# KiCad board cpu2.kicad_pcb (continued)
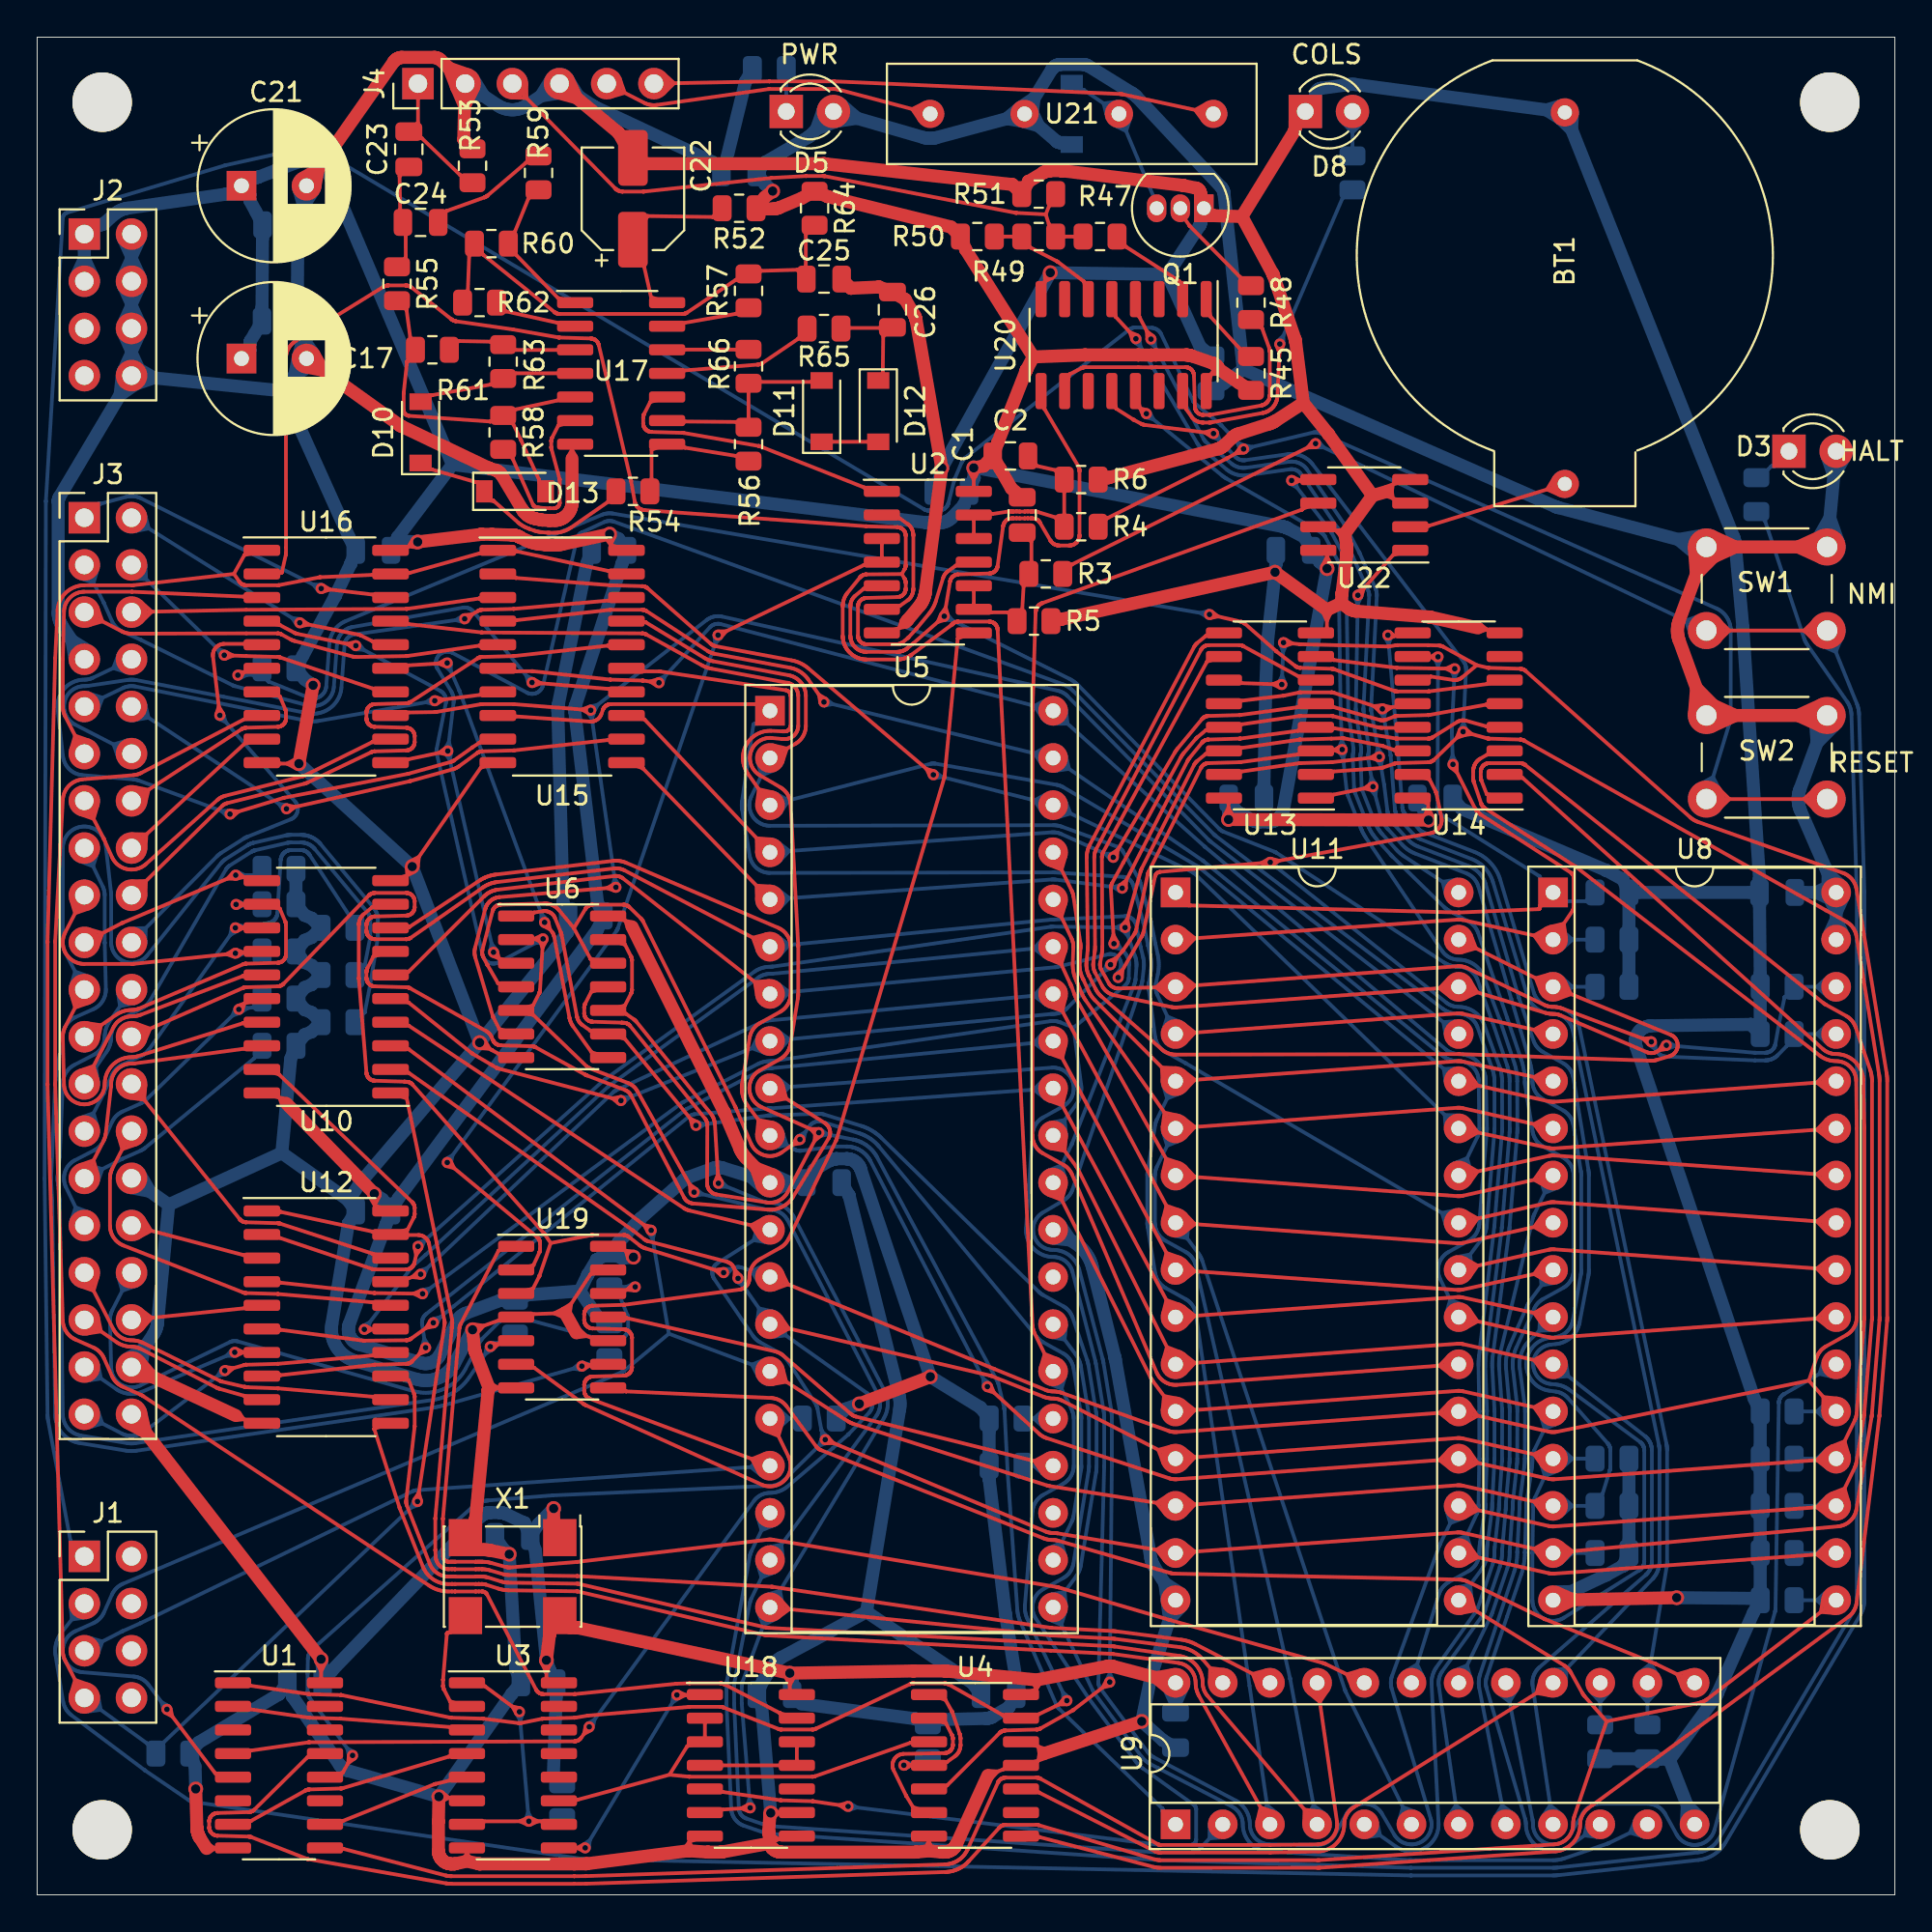
[diagram p0: board, top side]
## Routing (per net, layer and track width the routed paths; a pad name or vN(x,y) marks a point on that pad's centre or on a via; arc(x,y) is an arc through that point)
+5V: length 647.9
  Top w0.2: 75.16,58 74.89,58.49 74.63,57.99 ; 27.15,12.49 27.41,11.99 27.68,12.49 ; 13.04,42.91 13.19,42.51 ; 13.04,42.91 13.42,42.6 ; 13.04,42.91 13.46,42.84 ; 13.04,42.91 U10.20 ; 53.8,11.08 54.02,11.44 ; 53.8,11.08 53.59,11.45 ; 53.8,11.08 53.81,11.57 ; 53.8,11.08 U4.14 ; 31.68,34.67 v1(32.1,34.33) ; 31.68,34.67 32.13,34.63 ; 31.68,34.67 U19.14 ; 31.68,34.67 31.81,34.24 ; 63.2,81.86 63.63,81.87 ; 63.2,81.86 63.62,82.12 ; 63.2,81.86 63.4,82.24 ; 63.2,81.86 U20.16 ; 40.25,11.79 40.52,11.29 40.78,11.79 ; 15.49,11.42 15.28,11.62 v1(15.28,12.69) ; 18.17,37.11 v1(18.15,37.74) ; 18.17,37.11 17.89,37.59 ; 18.17,37.11 18.42,37.6 ; 18.17,37.11 U12.20 ; v1(69.44,71.39) 69.44,72.17 U22.8 ; v1(40.52,11.93) 40.52,10.98 U18.14 ; 31.67,52.43 32.03,52.1 ; 31.67,52.43 32.08,52.35 ; 31.67,52.43 U6.14 ; 31.67,52.43 31.79,52.03 ; 20,72.59 20.23,72.98 ; 20,72.59 U16.20 ; 20,72.59 20.45,72.53 ; 20,72.59 v1(20.48,72.83) ; 15.02,12.54 15.28,12.05 15.55,12.54 ; U2.14 50.42,75.75 v1(50.42,76.82) ; v1(27.41,12.63) 27.41,11.62 28.09,11.42 ; 30.87,72.67 31.09,73.12 ; 30.87,72.67 30.58,73.07 ; 30.87,72.67 v1(30.82,73.25) ; 30.87,72.67 U15.20 ; v1(64.13,57.89) 64.13,58.84 U13.16 ; 63.87,58.03 64.13,58.53 64.4,58.03 ; 50.68,76.68 50.42,76.18 50.15,76.68 ; U14.16 74.88,58.74 v1(74.9,57.85) ; 69.17,71.53 69.44,72.03 69.7,71.53
  Top w0.7: U9.24 57.96,12.29 57.92,12.3 57.88,12.3 57.84,12.31 57.8,12.31 57.77,12.32 57.73,12.32 57.69,12.31 57.65,12.31 57.61,12.31 57.57,12.3 53.81,11.57 48.96,12.04 48.9,12.05 48.87,12.05 48.83,12.05 47.19,12.05 47.17,12.05 v1(40.52,11.93) 29.11,14.37 29.08,14.38 29.05,14.38 29.03,14.38 28.68,14.38 X1.4 27.58,14.38 27.58,14.03 ; 90.13,73.15 91.42,72.56 90.13,71.97 ; 39.61,38.76 38.7,39.11 39.02,38.19 ; v1(39.59,91.71) 39.16,91.38 R52.1 38.86,90.75 39.59,90.75 39.64,90.75 39.68,90.76 39.72,90.76 39.76,90.77 39.8,90.78 39.84,90.79 39.88,90.8 39.92,90.81 39.96,90.83 41.17,91.33 R64.1 42.55,91.42 42.55,91.42 49.2,89.78 R50.1 49.98,88.57 49.99,88.56 53.62,82.79 ; C1.1 52.44,75.71 51.83,76.77 51.83,76.78 C2.1 ; 90.32,72.1 89.31,71.09 89.21,72.51 ; J3.40 v1(15.28,12.69) ; v1(20.48,72.83) 23.87,73.23 23.92,73.23 23.96,73.24 24.47,73.24 24.49,73.24 25.55,73.2 25.59,73.2 25.69,73.18 25.72,73.18 25.76,73.17 25.79,73.17 25.82,73.16 25.85,73.15 25.87,73.14 25.91,73.13 25.95,73.11 26.01,73.07 26.04,73.05 26.25,72.95 26.33,72.91 26.41,72.87 26.49,72.84 26.57,72.81 26.66,72.79 26.74,72.76 26.83,72.74 26.91,72.73 27,72.72 27.33,72.68 27.38,72.67 27.44,72.67 27.49,72.66 27.55,72.66 27.6,72.66 27.82,72.66 27.89,72.66 27.96,72.66 28.03,72.67 28.1,72.68 28.17,72.69 28.23,72.7 28.3,72.71 30.76,73.24 30.79,73.25 v1(30.82,73.25) ; SW1.1 SW1.1 88.39,68.6 88.37,68.52 88.34,68.45 88.33,68.37 88.31,68.3 88.3,68.22 88.3,68.14 88.29,68.06 88.3,67.98 88.3,67.91 88.31,67.83 88.33,67.75 88.34,67.67 88.36,67.6 88.39,67.52 SW2.1 SW2.1 ; 90.13,64.08 91.42,63.48 90.13,62.89 ; C2.1 51.71,78.18 51.71,78.19 53.23,82.03 53.24,82.06 53.26,82.11 53.27,82.11 53.62,82.79 ; C2.1 50.95,76.92 v1(50.42,76.82) ; 96.08,62.89 94.8,63.48 96.08,64.08 ; v1(48.08,27.89) v1(44.26,26.43) ; 32.03,52.1 36.97,42.16 36.99,42.12 37.01,42.08 37.82,40.18 37.85,40.12 37.88,40.05 37.92,39.99 37.96,39.93 38,39.87 38.04,39.81 38.08,39.75 38.13,39.7 38.18,39.65 U5.11 ; X1.1 27.8,19.88 v1(27.8,20.8) ; R45.2 64.69,81.39 63.62,82.12 63.6,82.15 63.59,82.18 63.58,82.21 63.56,82.23 63.55,82.25 63.53,82.28 63.51,82.3 63.49,82.32 63.47,82.34 63.45,82.36 63.43,82.37 63.4,82.39 63.38,82.4 63.36,82.42 63.33,82.43 63.3,82.44 63.28,82.45 62.18,82.83 62.14,82.85 62.11,82.85 62.09,82.86 62.06,82.87 62.03,82.87 62.01,82.88 61.98,82.88 61.95,82.89 61.89,82.89 61.86,82.89 61.83,82.89 61.81,82.89 60.24,82.89 60.2,82.89 59.99,82.89 59.96,82.88 59.94,82.88 59.28,82.89 59.27,82.89 56.43,82.89 56.39,82.89 53.62,82.79 ; 27.58,14.03 27.58,14 27.58,13.99 v1(27.41,12.63) ; v1(64.13,57.89) v1(74.9,57.85) ; 96.08,73.15 94.8,72.56 96.08,71.97 ; 61.2,11.86 60.24,11.69 60.99,11.07 ; 13.42,42.6 v1(18.15,37.74) ; 5.57,25.98 5.81,24.92 4.85,25.43 ; 90.32,63.94 89.32,64.95 89.21,63.54
  Bottom w0.7: R20.2 31.5,34.27 31.53,34.27 v1(32.1,34.33) ; R20.2 31.27,35.06 31.28,35.09 31.29,35.09 ; R20.2 30.12,34.18 30.11,34.18 29.65,33.4 29.64,33.38 29.63,33.36 29.22,32.51 ; U9.24 C11.1 ; 22.35,76.99 15.75,92.53 15.72,92.6 15.68,92.67 15.64,92.74 15.6,92.8 15.55,92.86 15.5,92.92 15.45,92.97 15.39,93.03 15.33,93.08 15.27,93.12 15.2,93.16 15.14,93.2 15.07,93.24 15,93.27 14.92,93.29 14.85,93.31 14.77,93.33 14.7,93.35 14.62,93.35 14.54,93.36 14.47,93.36 14.39,93.36 14.31,93.35 14.24,93.33 14.16,93.32 14.09,93.3 14.02,93.27 11.92,92.47 ; 22.35,76.99 47.85,73.86 47.89,73.86 47.95,73.86 47.98,73.85 48.02,73.85 48.52,73.85 48.55,73.85 48.58,73.86 48.64,73.86 48.69,73.87 48.74,73.88 48.79,73.89 48.84,73.9 48.89,73.92 48.93,73.93 48.98,73.95 49.02,73.98 49.07,74 49.11,74.03 49.15,74.06 49.19,74.09 49.22,74.12 49.26,74.16 49.89,74.81 49.89,74.83 C7.1 50.44,76.27 50.44,76.29 v1(50.42,76.82) 50.45,76.82 50.49,76.82 50.51,76.82 50.53,76.82 50.55,76.82 50.57,76.82 50.59,76.81 50.61,76.81 67.08,73.65 67.12,73.64 67.16,73.63 67.19,73.62 67.22,73.61 67.25,73.59 67.31,73.57 67.32,73.56 68.21,73.09 68.22,73.08 C9.1 69.03,71.76 69.04,71.75 v1(69.44,71.39) 67.09,58.42 67.08,58.39 67.07,58.33 67.06,58.3 67.05,58.27 67.03,58.24 67.02,58.2 ; 22.35,76.99 19.41,73.08 19.41,73.08 C8.1 19.55,72.87 19.55,72.87 v1(20.48,72.83) ; C13.1 U8.32 ; 64.93,82.12 63.86,81.34 C5.1 ; 64.93,82.12 63.89,91.6 63.88,91.63 63.88,91.66 63.87,91.68 63.86,91.71 63.85,91.74 63.84,91.76 63.83,91.79 63.82,91.81 63.81,91.83 63.79,91.86 63.77,91.88 63.76,91.9 63.74,91.92 59.2,96.77 59.16,96.81 59.13,96.84 59.09,96.88 59.05,96.91 59.01,96.94 58.97,96.97 58.93,96.99 56.59,98.45 56.56,98.46 56.54,98.47 56.52,98.48 56.49,98.49 56.47,98.5 56.45,98.51 56.42,98.52 56.4,98.52 56.37,98.52 56.34,98.53 56.32,98.53 56.29,98.53 55.09,98.53 55.06,98.53 55.03,98.53 55,98.52 54.97,98.52 54.94,98.51 54.91,98.5 54.89,98.49 54.86,98.48 54.83,98.47 54.81,98.45 54.78,98.43 54.76,98.42 54.73,98.4 54.71,98.38 54.69,98.36 54.67,98.34 54.65,98.31 54.63,98.29 54.61,98.26 U21.3 ; 64.93,82.12 81.7,74.74 81.73,74.73 81.77,74.71 81.8,74.7 81.83,74.69 81.86,74.68 81.9,74.67 SW1.1 ; J2.3 J2.1 3.04,89.9 3.39,89.9 3.41,89.9 3.43,89.9 3.44,89.9 3.46,89.91 3.48,89.91 3.5,89.92 3.51,89.92 3.53,89.93 3.55,89.94 3.56,89.95 3.58,89.96 3.59,89.97 3.61,89.98 3.62,89.99 4.14,90.45 4.19,90.5 4.25,90.54 4.3,90.58 4.36,90.61 4.42,90.65 4.49,90.68 4.55,90.71 4.61,90.73 4.68,90.75 4.75,90.77 4.81,90.78 4.88,90.8 10.15,91.55 10.18,91.55 10.2,91.55 10.55,91.55 C21.1 ; 29.22,32.51 30.14,31.15 30.15,31.15 R18.2 ; 29.22,32.51 26.42,32.3 R19.2 25.02,32.01 25,32.01 24.97,32.01 24.94,32 24.92,31.99 23.1,31.32 23.06,31.3 23.01,31.28 22.97,31.26 22.93,31.23 22.89,31.21 22.85,31.18 22.81,31.15 22.78,31.12 22.74,31.08 22.71,31.05 22.68,31.01 22.65,30.97 22.63,30.93 22.6,30.89 22.58,30.85 21.68,29.07 21.66,29.03 21.63,28.98 21.6,28.94 21.57,28.9 21.54,28.87 21.5,28.83 21.46,28.8 21.43,28.77 21.38,28.74 21.34,28.71 21.3,28.69 21.25,28.67 21.21,28.65 21.16,28.63 21.11,28.62 21.06,28.61 21.01,28.6 20.96,28.6 20.91,28.6 20.86,28.6 20.81,28.6 20.76,28.61 20.71,28.62 20.67,28.63 17.37,29.62 ; 95.71,63.44 95.81,62.02 96.82,63.03 ; C28.1 26.23,20.01 26.22,20.02 26.21,20.03 25.24,20.5 25.2,20.51 25.17,20.53 25.14,20.54 25.1,20.55 25.07,20.56 25.03,20.56 25,20.57 24.93,20.57 24.9,20.58 24.89,20.58 24.39,20.58 24.35,20.57 24.3,20.57 24.27,20.57 24.24,20.56 24.21,20.55 24.16,20.54 24.13,20.53 24.1,20.52 24.07,20.51 24.03,20.49 24,20.47 23.97,20.46 23.95,20.44 23.91,20.41 23.88,20.4 23.86,20.38 23.84,20.35 23.8,20.31 15.89,12.1 15.87,12.07 15.84,12.05 15.82,12.03 C20.1 15.37,12.14 15.37,12.17 15.36,12.18 v1(15.28,12.69) ; C28.1 26.81,18.56 v1(27.41,12.63) 27.58,12.12 27.58,12.12 C16.1 27.94,10.69 27.94,10.68 27.79,6.49 27.79,6.49 R7.2 ; C28.1 26.97,19.94 v1(27.8,20.8) ; D3.2 SW1.1 ; 31.29,35.09 31.3,35.1 32.41,36.35 32.44,36.37 32.47,36.4 32.48,36.41 34.79,38.47 34.82,38.49 34.85,38.51 34.88,38.53 34.91,38.55 34.94,38.57 34.97,38.59 35,38.6 35.03,38.62 35.07,38.63 36.38,39.11 36.42,39.12 36.46,39.14 36.5,39.15 36.55,39.15 36.59,39.16 36.63,39.16 36.67,39.16 36.72,39.16 36.76,39.16 36.8,39.15 36.85,39.14 36.89,39.14 36.93,39.12 U5.11 C15.1 41.8,39.02 41.81,39.03 42.65,39.52 42.68,39.53 42.72,39.55 42.75,39.56 42.78,39.58 42.81,39.59 42.87,39.6 42.9,39.61 42.93,39.62 42.96,39.62 43.01,39.62 ; 43.01,39.62 43.05,39.63 43.06,39.63 43.56,39.63 43.6,39.62 43.65,39.62 43.68,39.62 43.71,39.61 43.74,39.6 43.79,39.59 43.82,39.58 43.85,39.57 43.88,39.56 43.92,39.54 43.95,39.52 43.98,39.51 44,39.49 44.04,39.46 44.07,39.45 44.09,39.42 44.11,39.4 44.16,39.36 44.18,39.34 44.2,39.31 44.21,39.3 44.23,39.26 ; 61.69,11.23 61.28,10.33 60.87,11.23 ; 53.56,95.82 53.67,96.71 52.92,96.21 ; C29.1 18.78,36.09 18.78,36.09 16.8,30.74 16.79,30.69 16.77,30.64 16.76,30.59 16.76,30.54 16.75,30.49 16.75,30.44 16.75,30.39 16.76,30.34 16.76,30.29 16.77,30.25 16.79,30.2 16.8,30.15 16.82,30.1 16.84,30.06 16.87,30.01 16.89,29.97 16.92,29.93 16.95,29.89 16.98,29.85 17.02,29.82 17.06,29.78 17.1,29.75 17.14,29.72 17.18,29.7 17.23,29.67 17.27,29.65 17.32,29.63 17.37,29.62 ; C29.1 18.6,37.43 v1(18.15,37.74) ; C29.1 19.44,37.49 30.16,51.97 30.17,51.97 C18.1 30.17,53.41 30.16,53.41 28.94,63.67 28.94,63.7 28.94,63.74 28.94,63.78 28.94,63.82 28.94,63.85 28.95,63.89 28.95,63.93 28.96,63.96 28.97,64 28.98,64.04 31.48,71.65 31.48,71.65 C12.1 31.3,72.99 31.29,72.99 v1(30.82,73.25) ; v1(44.26,26.43) 43.52,26.15 43.52,26.15 R16.2 ; C17.1 11.45,83.15 11.45,83.5 11.45,83.52 11.45,83.53 11.45,83.55 11.46,83.56 11.46,83.58 11.46,83.59 11.47,83.61 11.47,83.62 11.48,83.64 11.48,83.65 11.49,83.67 11.5,83.68 11.71,84.03 C14.1 12.1,85.44 12.13,89.17 C27.1 11.78,90.6 11.45,91.2 11.45,91.55 C21.1 ; U8.32 94.92,58.36 94.89,58.44 94.87,58.51 94.85,58.59 94.83,58.67 94.81,58.74 94.8,58.82 94.8,58.9 94.79,58.98 94.8,59.06 94.8,59.14 94.81,59.22 94.83,59.3 94.84,59.37 94.87,59.45 94.89,59.53 SW2.1 ; U8.32 U8.31 ; 53.04,95.47 53.9,95.23 53.53,96.04 ; v1(40.52,11.93) 40.63,11.58 40.63,11.56 40.64,11.54 40.64,11.53 40.64,11.51 C3.1 41.14,10.28 47.25,9.48 47.25,9.48 R10.2 48.64,9.44 51.07,9.49 51.1,9.5 51.15,9.5 51.18,9.5 51.21,9.51 51.24,9.52 51.3,9.53 51.33,9.54 51.36,9.55 51.38,9.56 51.43,9.58 51.45,9.6 51.46,9.6 52.3,10.09 52.31,10.1 C19.1 52.7,11.51 52.7,11.53 52.7,11.55 52.13,15.06 52.12,15.12 52.12,15.17 51.25,22.37 51.25,22.4 R17.2 R9.2 50.78,26.23 50.78,26.23 v1(48.08,27.89) 44.32,39.08 44.32,39.1 44.31,39.12 44.28,39.18 44.27,39.21 44.25,39.23 44.23,39.26 ; 11.92,92.47 11.9,92.46 11.87,92.46 11.84,92.45 11.81,92.45 11.8,92.45 11.45,92.45 C21.1 ; 43.07,95.49 41.95,95.05 42.35,96.18 ; v1(64.13,57.89) 64.14,58.31 C6.1 64.53,58.36 64.54,58.35 65.38,57.86 65.41,57.85 65.43,57.84 65.47,57.82 65.5,57.81 65.53,57.8 65.56,57.79 65.62,57.77 65.65,57.77 65.68,57.76 65.7,57.76 65.75,57.76 65.78,57.75 65.79,57.75 66.29,57.75 66.32,57.75 66.34,57.76 66.38,57.76 66.42,57.76 66.45,57.77 66.48,57.78 66.54,57.79 66.57,57.8 66.6,57.81 66.61,57.82 66.65,57.84 66.68,57.85 66.71,57.87 66.74,57.89 ; 96.65,53.55 95.76,53.96 96.65,54.37 ; 97.32,77.43 96.72,76.39 96.32,77.53 ; 2.99,87.07 2.54,88.06 2.09,87.07 ; 39.64,37.93 40.53,38.34 39.64,38.75 ; U21.3 54.86,94.4 54.88,94.39 54.89,94.38 54.91,94.37 54.92,94.36 54.94,94.36 54.95,94.35 54.97,94.34 54.99,94.34 55,94.33 55.02,94.33 55.04,94.32 55.06,94.32 55.07,94.32 55.09,94.32 55.44,94.32 D9.1 ; U21.3 48.42,94.59 48.36,94.58 48.3,94.57 48.24,94.56 48.18,94.55 48.12,94.55 48.06,94.55 48,94.55 47.94,94.55 47.88,94.56 47.82,94.57 47.76,94.58 47.7,94.6 D5.2 41.63,94.71 41.62,94.7 41.6,94.69 41.59,94.67 41.57,94.66 41.56,94.65 41.54,94.64 41.52,94.63 41.51,94.62 39.21,93.28 39.21,93.28 C10.1 39.19,92.08 39.19,92.07 v1(39.59,91.71) ; 42.95,95.46 44.13,95.63 43.22,96.42 ; 95.79,72.88 96.5,74.11 96.97,72.77 ; C4.1 74.66,58.34 v1(74.9,57.85) ; 96.43,53.77 96.84,52.88 97.25,53.77 ; 96.39,53.97 96.41,54.95 97.14,54.3 ; 39.15,38 38.42,38.66 39.39,38.79 ; 89.44,72.06 88.35,72.96 89.75,73.2 ; 53.08,95.46 52.2,95.61 52.89,96.19 ; 96.43,51.61 96.84,52.5 97.25,51.61 ; 67.01,58.2 67,58.17 66.98,58.15 66.97,58.12 66.94,58.08 66.92,58.06 66.9,58.03 66.88,58.01 66.84,57.97 66.81,57.94 66.79,57.92 66.77,57.91 66.74,57.89
GND: length 900.9
  Top w0.2: 11.12,25.6 10.7,25.56 ; 11.12,25.6 10.68,25.81 ; 11.12,25.6 10.89,25.95 ; 11.12,25.6 U12.10 ; 39.92,4.41 39.7,4.19 ; 39.92,4.41 40.02,4.41 U18.9 ; 39.92,4.41 v1(39.49,4.41) ; 39.92,4.41 39.7,4.63 ; 72.98,75.17 72.59,75.31 ; 72.98,75.17 72.67,75.55 72.98,75.93 ; 72.98,75.17 72.92,75.59 ; 72.98,75.17 73.92,74.91 ; U2.7 46.4,68.19 ; 46.4,68.19 46.53,68.59 ; 46.4,68.19 46.76,68.52 ; 46.4,68.19 46.81,68.27 ; 51.36,6.25 51.72,6.64 51.19,6.67 ; U19.10 29.77,30.02 29.01,30.26 ; 28.79,77.79 29.01,77.43 ; 28.79,77.79 28.58,77.43 ; 28.79,77.79 28.79,77.89 U17.7 ; 28.79,77.79 28.79,77.3 ; v1(23.44,30.42) 24.82,30.91 U19.4 26.76,31.26 28.42,31.32 29.78,33.4 29.79,33.4 U19.13 ; 53.89,7.98 53.96,7.57 ; 53.89,7.98 U4.12 ; 53.89,7.98 54.29,7.84 ; 53.89,7.98 54.2,7.61 53.89,7.23 ; 13.95,60.63 13.45,60.89 13.95,61.16 ; 23.14,2.22 23.14,1.81 ; 23.14,2.22 23.14,2.32 U3.8 ; 23.14,2.22 22.94,1.96 ; 23.14,2.22 23.34,1.96 ; 69.93,73.43 70.19,73.1 ; 69.93,73.43 U22.7 ; 69.93,73.43 70.34,73.51 ; 69.93,73.43 70.39,73.26 ; 47.99,2.86 47.78,2.5 ; 47.99,2.86 47.99,2.96 U4.7 ; 47.99,2.86 47.99,2.37 ; 47.99,2.86 48.21,2.5 ; 24.81,27.3 24.32,27.3 ; 24.81,27.3 24.45,27.09 ; 24.81,27.3 24.45,27.52 ; 24.81,27.3 24.91,27.3 U19.7 ; 9.57,2.5 9.26,2.29 ; 9.57,2.5 9.67,2.5 U1.8 ; 9.57,2.5 9.12,2.5 ; 9.57,2.5 9.26,2.71 ; 39.92,3 39.57,3.23 ; 39.92,3 39.55,2.8 ; 39.92,3 39.92,3 U18.8 ; 39.92,3 39.43,3.02 ; 54.26,86.86 54.66,87.05 ; 54.26,86.86 54.24,87.31 ; 54.26,86.86 54.25,86.86 U20.8 ; 54.26,86.86 v1(54.54,87.32) ; 72.98,75.93 72.92,75.51 ; 72.98,75.93 73.92,76.19 ; 72.98,75.93 72.59,75.79 ; U10.10 19.92,54.88 ; 19.92,54.88 v1(20.19,55.35) 23.87,60.67 U15.10 ; 19.92,54.88 20.32,55.08 ; 19.92,54.88 19.89,55.33 ; 35.11,2.86 35.28,2.48 ; 35.11,2.86 34.85,2.52 ; 35.11,2.86 U18.7 ; 35.11,2.86 35.05,2.37 ; 29.18,30.44 29.58,30.08 29.05,30.01 ; 24.08,46.03 24.37,45.54 23.8,45.58 ; 78.02,68.12 77.63,67.97 ; 78.02,68.12 77.54,68.2 ; 78.02,68.12 77.7,68.39 ; 78.02,68.12 78.03,68.12 79,67.93 ; U16.10 12.99,60.9 13.09,60.9 v1(14.09,60.89) ; 28.32,31.09 27.83,31.3 28.31,31.55 ; 20.49,55.32 20.55,55.88 20.05,55.62 ; v1(23.82,45.88) 24.47,45.48 24.5,45.46 24.82,45.28 U6.7 ; 53.89,7.23 54.29,7.37 ; 53.89,7.23 53.89,7.23 U4.11 52,6.76 52,6.76 51.17,6.42 ; 53.89,7.23 53.96,7.64 ; U3.6 22.16,5.23 ; 22.16,5.23 v1(21.62,5.28) ; 22.16,5.23 21.76,5.02 ; 22.16,5.23 21.82,5.52 ; U13.8 69.43,68.13 69.43,69.17 ; 69.2,69.06 69.43,68.58 69.66,69.06 ; 23.48,30.72 24.04,30.63 23.66,30.22 ; 28.67,31.29 28.75,31.82 28.29,31.54
  Top w0.7: 71.88,75.32 72.67,75.55 ; 71.88,75.32 70.39,73.26 70.49,72.65 70.5,72.61 70.5,72.56 70.5,72.53 70.5,72.53 70.5,72.22 70.5,72.2 70.49,72.13 70.24,70.06 70.24,70.03 70.2,69.53 ; 71.88,75.32 69.52,78.62 69.5,78.65 69.49,78.66 68.16,80.31 ; 23.6,20.23 23.6,20.26 24.27,27.12 ; 64.85,90.34 66.5,87.28 66.52,87.25 66.54,87.2 66.56,87.16 66.56,87.15 67.71,83.76 67.72,83.73 67.72,83.7 67.73,83.67 67.74,83.65 67.74,83.62 67.75,83.59 68.16,80.31 ; 64.85,90.34 63.34,90.39 63.33,90.39 62.98,90.39 Q1.1 62.63,91.19 62.63,91.54 62.63,91.56 62.63,91.58 62.62,91.6 62.62,91.62 62.61,91.64 62.61,91.66 62.6,91.68 62.59,91.69 62.58,91.71 62.57,91.73 62.56,91.75 62.55,91.76 62.54,91.78 62.52,91.79 62.51,91.8 62.49,91.82 62.48,91.83 62.46,91.84 62.44,91.85 62.43,91.86 62.41,91.87 62.39,91.87 62.37,91.88 62.35,91.88 61.74,92.01 61.71,92.02 61.67,92.02 61.66,92.02 55.2,92.81 55.16,92.81 55.12,92.81 55.09,92.81 54.56,92.81 54.53,92.81 54.52,92.81 ; 64.85,90.34 67.66,94.92 67.67,94.93 67.68,94.94 67.69,94.96 67.69,94.97 67.7,94.99 67.7,95 67.71,95.02 67.71,95.04 67.71,95.05 67.71,95.07 67.71,95.08 67.71,95.1 ; 70.2,69.53 70.6,69.25 70.64,69.23 70.67,69.21 70.71,69.19 70.75,69.17 70.79,69.15 70.82,69.14 70.86,69.13 70.9,69.12 70.94,69.11 70.99,69.1 71.03,69.1 74.91,68.79 74.96,68.78 74.99,68.78 75.02,68.77 77.54,68.2 ; 70.2,69.53 69.43,69.17 v1(66.64,71.2) 55.16,68.67 55.14,68.67 55.12,68.67 55.1,68.67 55.09,68.66 54.74,68.66 R5.2 ; 23.6,20.23 23.6,19.88 23.05,19.23 23.6,18.58 23.95,18.58 24.03,18.58 24.1,18.58 24.17,18.57 24.25,18.56 24.32,18.55 24.39,18.54 24.46,18.53 v1(25.41,18.33) ; v1(8.54,5.7) 8.6,3.61 8.6,3.58 8.61,3.53 8.61,3.5 8.61,3.48 8.62,3.45 8.62,3.42 8.63,3.39 8.64,3.34 8.65,3.32 8.66,3.29 8.67,3.26 8.68,3.24 8.69,3.21 8.71,3.16 8.72,3.14 8.73,3.11 8.74,3.09 8.76,3.07 8.77,3.05 9.12,2.5 ; 14.41,82.26 15.38,82.07 14.89,82.92 ; 5.46,28.73 6.17,27.9 5.08,27.91 ; 54.52,92.81 54.47,92.81 54.44,92.8 54.41,92.8 54.38,92.79 54.33,92.78 54.3,92.77 54.27,92.76 54.24,92.75 54.19,92.72 54.16,92.71 54.15,92.7 53.38,92.24 53.37,92.23 R51.1 52.5,92.07 52.49,92.07 42.45,93.18 42.38,93.18 42.35,93.18 42.32,93.19 42.3,93.19 32.87,93.19 32.52,93.19 C22.2 31.29,94.85 31.29,94.86 J4.4 ; v1(23.44,30.42) 23.54,29.42 23.54,29.39 23.55,29.36 23.55,29.33 23.56,29.3 23.57,29.26 23.58,29.23 23.59,29.2 24.32,27.3 24.31,27.28 24.3,27.25 24.29,27.21 24.29,27.2 ; 28.79,77.3 28.79,74.95 28.79,74.89 28.78,74.84 28.78,74.78 28.76,74.73 28.75,74.67 28.73,74.62 28.71,74.57 28.69,74.51 28.66,74.46 28.63,74.42 28.6,74.37 28.56,74.33 28.53,74.28 28.49,74.24 28.44,74.21 28.4,74.17 28.35,74.14 28.31,74.11 28.26,74.08 28.2,74.06 28.15,74.04 28.1,74.02 28.04,74.01 27.99,73.99 27.93,73.99 27.88,73.98 27.82,73.98 27.6,73.98 27.56,73.98 27.55,73.98 27.22,74 27.19,74 27.17,74.01 27.14,74.01 27.12,74.01 27.09,74.02 27.06,74.02 26.81,74.08 26.79,74.09 26.7,74.11 26.66,74.12 26.62,74.13 26.59,74.15 26.55,74.16 26.52,74.18 26.48,74.2 26.45,74.22 26.42,74.24 26.38,74.27 26.35,74.29 26.32,74.32 26.3,74.35 26.25,74.4 26.23,74.42 26.21,74.44 26.19,74.47 26.17,74.49 26.15,74.52 26.13,74.54 26.12,74.57 25,76.44 24.99,76.46 24.97,76.49 24.95,76.51 24.93,76.53 24.91,76.55 24.89,76.57 24.87,76.59 24.84,76.61 24.82,76.62 24.79,76.64 24.77,76.65 24.74,76.66 24.71,76.68 24.69,76.68 24.38,76.78 24.36,76.79 24.34,76.8 24.31,76.81 24.27,76.83 19.62,79.05 19.6,79.06 19.57,79.08 19.55,79.09 19.52,79.1 19.5,79.12 19.48,79.14 C17.2 ; 22,1.74 22.04,1.72 22.07,1.71 22.1,1.7 22.14,1.69 22.17,1.68 22.2,1.67 22.24,1.67 22.28,1.67 22.31,1.66 22.41,1.66 22.45,1.67 22.48,1.67 22.51,1.67 22.53,1.68 23.14,1.81 23.74,1.68 23.77,1.67 23.81,1.67 23.84,1.66 23.86,1.66 28.92,1.66 29.51,1.67 29.55,1.67 29.59,1.67 29.61,1.68 35.05,2.37 35.09,2.37 36.09,2.3 36.13,2.3 36.77,2.3 36.8,2.3 36.86,2.3 36.89,2.31 36.9,2.31 39.34,2.76 ; v1(21.62,5.28) 21.6,3.95 21.6,3.94 21.6,2.38 21.6,2.34 21.6,2.3 21.61,2.27 21.61,2.23 21.62,2.2 21.63,2.16 21.64,2.13 21.65,2.1 21.67,2.06 21.69,2.03 21.7,2 21.72,1.98 21.75,1.94 21.77,1.92 21.79,1.89 21.82,1.86 21.84,1.84 21.87,1.82 21.89,1.8 21.93,1.78 21.96,1.76 21.98,1.74 22,1.74 ; 22.58,97.3 23.01,96.3 23.49,97.28 ; 68.16,80.31 66.67,79.35 66.64,79.33 66.62,79.32 66.59,79.3 66.56,79.28 66.53,79.27 66.5,79.26 66.46,79.24 66.43,79.22 66.4,79.21 66.37,79.2 66.34,79.19 66.3,79.18 64.68,78.65 64.64,78.64 64.6,78.62 64.57,78.61 64.53,78.59 64.5,78.57 64.47,78.55 64.43,78.53 64.4,78.5 64.37,78.48 64.35,78.45 63.92,78.04 63.89,78.02 63.86,77.99 63.83,77.97 63.8,77.94 63.76,77.92 63.73,77.9 63.69,77.89 63.66,77.87 63.62,77.86 63.58,77.84 63.54,77.83 57.72,76.3 57.69,76.29 57.66,76.29 57.64,76.29 57.63,76.28 57.28,76.28 R6.2 ; D8.1 67.72,95.45 67.72,95.1 ; C21.2 19.19,98.67 19.21,98.7 19.23,98.72 19.25,98.74 19.27,98.76 19.29,98.78 19.32,98.8 19.34,98.82 19.37,98.83 19.39,98.85 19.42,98.86 19.45,98.87 19.47,98.88 19.5,98.89 19.53,98.9 19.56,98.9 19.59,98.91 19.62,98.91 19.65,98.91 21.35,98.91 21.38,98.91 21.41,98.91 21.44,98.9 21.46,98.9 21.49,98.89 21.52,98.88 21.55,98.87 21.57,98.86 21.6,98.85 21.62,98.84 21.65,98.82 21.67,98.81 21.7,98.79 21.72,98.77 21.74,98.75 J4.2 22.96,94.5 22.96,94.5 R53.2 ; v1(14.09,60.89) v1(14.85,65.11) ; v1(39.49,4.41) 39.48,4.38 39.47,4.36 39.46,4.34 39.45,4.32 39.45,4.3 39.45,4.28 39.44,4.26 39.44,4.24 39.44,4.22 39.38,3.42 39.38,3.41 39.38,3.39 39.38,3.37 39.38,3.35 39.38,3.34 39.38,3.32 39.39,3.3 39.43,3.02 39.34,2.76 ; 24.29,27.2 24.28,27.16 24.27,27.13 24.27,27.12 ; 49.47,2.7 49.49,2.73 51.17,6.42 ; 49.47,2.7 49.46,2.67 49.44,2.64 49.42,2.61 49.4,2.58 49.38,2.55 49.36,2.53 49.33,2.5 49.3,2.48 49.28,2.46 49.25,2.44 49.22,2.41 49.19,2.39 49.16,2.38 49.12,2.36 49.09,2.35 49.06,2.34 49.03,2.33 48.99,2.32 48.96,2.31 48.93,2.31 48.87,2.3 48.84,2.3 48.73,2.3 48.7,2.3 48.68,2.3 47.99,2.37 47.34,2.3 47.31,2.3 47.28,2.3 40.07,2.3 40.04,2.3 39.99,2.3 39.96,2.31 39.93,2.31 39.9,2.32 39.86,2.33 39.83,2.34 39.8,2.35 39.76,2.37 39.73,2.39 39.7,2.4 39.67,2.42 39.64,2.45 39.61,2.47 39.59,2.49 39.55,2.53 39.54,2.54 39.34,2.76 ; 81.78,16.27 82.68,15.88 81.8,15.45 ; 23.21,97.97 22.18,98.33 22.57,97.32 ; 10.68,25.81 J3.38 ; 46.76,68.52 46.85,68.62 46.86,68.63 47.49,69.38 47.53,69.43 47.57,69.48 47.6,69.53 47.63,69.58 47.66,69.63 47.69,69.69 47.71,69.74 47.73,69.8 47.75,69.85 47.77,69.91 47.78,69.94 47.79,69.97 47.79,70.01 47.8,70.04 47.81,70.08 47.81,70.11 v1(48.7,76.81) 47.31,84.77 47.31,84.8 47.3,84.82 47.29,84.86 47.28,84.89 47.27,84.92 47.26,84.95 47.24,85 47.22,85.03 47.22,85.04 46.73,85.88 46.72,85.89 C26.2 45.32,86.55 45.3,86.55 43.81,86.48 43.81,86.48 C25.2 ; 14.94,91.92 15.12,92.88 14.27,92.39 ; 27.99,97.02 29.04,96.73 28.57,97.72 ; 29.01,30.26 28.42,31.32 ; v1(88.26,16) U8.16 ; 54.2,7.61 v1(59.46,9.34)